# Allegro board LED_FIN.brd (continued)
## Placement (name value [footprint] x y rotation side) (continued)
D6645  0603_LED  [0603_SINGLE]  125.25 254 0 top
D6646  0603_LED  [0603_SINGLE]  127.25 254 0 top
D6647  0603_LED  [0603_SINGLE]  129.25 254 0 top
D6648  0603_LED  [0603_SINGLE]  131.25 254 0 top
D6649  0603_LED  [0603_SINGLE]  133.25 254 0 top
D6650  0603_LED  [0603_SINGLE]  135.25 254 0 top
D6651  0603_LED  [0603_SINGLE]  137.25 254 0 top
D6652  0603_LED  [0603_SINGLE]  139.25 254 0 top
D6653  0603_LED  [0603_SINGLE]  141.25 254 0 top
D6654  0603_LED  [0603_SINGLE]  143.25 254 0 top
D6655  0603_LED  [0603_SINGLE]  145.25 254 0 top
D6656  0603_LED  [0603_SINGLE]  147.25 254 0 top
D6657  0603_LED  [0603_SINGLE]  149.25 254 0 top
D6658  0603_LED  [0603_SINGLE]  151.25 254 0 top
D6659  0603_LED  [0603_SINGLE]  153.25 254 0 top
D6660  0603_LED  [0603_SINGLE]  155.25 254 0 top
D6661  0603_LED  [0603_SINGLE]  97.25 252 0 top
D6662  0603_LED  [0603_SINGLE]  99.25 252 0 top
D6663  0603_LED  [0603_SINGLE]  101.25 252 0 top
D6664  0603_LED  [0603_SINGLE]  103.25 252 0 top
D6665  0603_LED  [0603_SINGLE]  105.25 252 0 top
D6666  0603_LED  [0603_SINGLE]  107.25 252 0 top
D6667  0603_LED  [0603_SINGLE]  109.25 252 0 top
D6668  0603_LED  [0603_SINGLE]  111.25 252 0 top
D6669  0603_LED  [0603_SINGLE]  113.25 252 0 top
D6670  0603_LED  [0603_SINGLE]  115.25 252 0 top
D6671  0603_LED  [0603_SINGLE]  117.25 252 0 top
D6672  0603_LED  [0603_SINGLE]  119.25 252 0 top
D6673  0603_LED  [0603_SINGLE]  121.25 252 0 top
D6674  0603_LED  [0603_SINGLE]  123.25 252 0 top
D6675  0603_LED  [0603_SINGLE]  125.25 252 0 top
D6676  0603_LED  [0603_SINGLE]  127.25 252 0 top
D6677  0603_LED  [0603_SINGLE]  129.25 252 0 top
D6678  0603_LED  [0603_SINGLE]  131.25 252 0 top
D6679  0603_LED  [0603_SINGLE]  133.25 252 0 top
D6680  0603_LED  [0603_SINGLE]  135.25 252 0 top
D6681  0603_LED  [0603_SINGLE]  137.25 252 0 top
D6682  0603_LED  [0603_SINGLE]  139.25 252 0 top
D6683  0603_LED  [0603_SINGLE]  141.25 252 0 top
D6684  0603_LED  [0603_SINGLE]  143.25 252 0 top
D6685  0603_LED  [0603_SINGLE]  145.25 252 0 top
D6686  0603_LED  [0603_SINGLE]  147.25 252 0 top
D6687  0603_LED  [0603_SINGLE]  149.25 252 0 top
D6688  0603_LED  [0603_SINGLE]  151.25 252 0 top
D6689  0603_LED  [0603_SINGLE]  153.25 252 0 top
D6690  0603_LED  [0603_SINGLE]  155.25 252 0 top
D6691  0603_LED  [0603_SINGLE]  97.25 250 0 top
D6692  0603_LED  [0603_SINGLE]  99.25 250 0 top
D6693  0603_LED  [0603_SINGLE]  101.25 250 0 top
D6694  0603_LED  [0603_SINGLE]  103.25 250 0 top
D6695  0603_LED  [0603_SINGLE]  105.25 250 0 top
D6696  0603_LED  [0603_SINGLE]  107.25 250 0 top
D6697  0603_LED  [0603_SINGLE]  109.25 250 0 top
D6698  0603_LED  [0603_SINGLE]  111.25 250 0 top
D6699  0603_LED  [0603_SINGLE]  113.25 250 0 top
D6700  0603_LED  [0603_SINGLE]  115.25 250 0 top
D6701  0603_LED  [0603_SINGLE]  117.25 250 0 top
D6702  0603_LED  [0603_SINGLE]  119.25 250 0 top
D6703  0603_LED  [0603_SINGLE]  121.25 250 0 top
D6704  0603_LED  [0603_SINGLE]  123.25 250 0 top
D6705  0603_LED  [0603_SINGLE]  125.25 250 0 top
D6706  0603_LED  [0603_SINGLE]  127.25 250 0 top
D6707  0603_LED  [0603_SINGLE]  129.25 250 0 top
D6708  0603_LED  [0603_SINGLE]  131.25 250 0 top
D6709  0603_LED  [0603_SINGLE]  133.25 250 0 top
D6710  0603_LED  [0603_SINGLE]  135.25 250 0 top
D6711  0603_LED  [0603_SINGLE]  137.25 250 0 top
D6712  0603_LED  [0603_SINGLE]  139.25 250 0 top
D6713  0603_LED  [0603_SINGLE]  141.25 250 0 top
D6714  0603_LED  [0603_SINGLE]  143.25 250 0 top
D6715  0603_LED  [0603_SINGLE]  145.25 250 0 top
D6716  0603_LED  [0603_SINGLE]  147.25 250 0 top
D6717  0603_LED  [0603_SINGLE]  149.25 250 0 top
D6718  0603_LED  [0603_SINGLE]  151.25 250 0 top
D6719  0603_LED  [0603_SINGLE]  153.25 250 0 top
D6720  0603_LED  [0603_SINGLE]  155.25 250 0 top
D6721  0603_LED  [0603_SINGLE]  97.25 248 0 top
D6722  0603_LED  [0603_SINGLE]  99.25 248 0 top
D6723  0603_LED  [0603_SINGLE]  101.25 248 0 top
D6724  0603_LED  [0603_SINGLE]  103.25 248 0 top
D6725  0603_LED  [0603_SINGLE]  105.25 248 0 top
D6726  0603_LED  [0603_SINGLE]  107.25 248 0 top
D6727  0603_LED  [0603_SINGLE]  109.25 248 0 top
D6728  0603_LED  [0603_SINGLE]  111.25 248 0 top
D6729  0603_LED  [0603_SINGLE]  113.25 248 0 top
D6730  0603_LED  [0603_SINGLE]  115.25 248 0 top
D6731  0603_LED  [0603_SINGLE]  117.25 248 0 top
D6732  0603_LED  [0603_SINGLE]  119.25 248 0 top
D6733  0603_LED  [0603_SINGLE]  121.25 248 0 top
D6734  0603_LED  [0603_SINGLE]  123.25 248 0 top
D6735  0603_LED  [0603_SINGLE]  125.25 248 0 top
D6736  0603_LED  [0603_SINGLE]  127.25 248 0 top
D6737  0603_LED  [0603_SINGLE]  129.25 248 0 top
D6738  0603_LED  [0603_SINGLE]  131.25 248 0 top
D6739  0603_LED  [0603_SINGLE]  133.25 248 0 top
D6740  0603_LED  [0603_SINGLE]  135.25 248 0 top
D6741  0603_LED  [0603_SINGLE]  137.25 248 0 top
D6742  0603_LED  [0603_SINGLE]  139.25 248 0 top
D6743  0603_LED  [0603_SINGLE]  141.25 248 0 top
D6744  0603_LED  [0603_SINGLE]  143.25 248 0 top
D6745  0603_LED  [0603_SINGLE]  145.25 248 0 top
D6746  0603_LED  [0603_SINGLE]  147.25 248 0 top
D6747  0603_LED  [0603_SINGLE]  149.25 248 0 top
D6748  0603_LED  [0603_SINGLE]  151.25 248 0 top
D6749  0603_LED  [0603_SINGLE]  153.25 248 0 top
D6750  0603_LED  [0603_SINGLE]  155.25 248 0 top
D6751  0603_LED  [0603_SINGLE]  97.25 246 0 top
D6752  0603_LED  [0603_SINGLE]  99.25 246 0 top
D6753  0603_LED  [0603_SINGLE]  101.25 246 0 top
D6754  0603_LED  [0603_SINGLE]  103.25 246 0 top
D6755  0603_LED  [0603_SINGLE]  105.25 246 0 top
D6756  0603_LED  [0603_SINGLE]  107.25 246 0 top
D6757  0603_LED  [0603_SINGLE]  109.25 246 0 top
D6758  0603_LED  [0603_SINGLE]  111.25 246 0 top
D6759  0603_LED  [0603_SINGLE]  113.25 246 0 top
D6760  0603_LED  [0603_SINGLE]  115.25 246 0 top
D6761  0603_LED  [0603_SINGLE]  117.25 246 0 top
D6762  0603_LED  [0603_SINGLE]  119.25 246 0 top
D6763  0603_LED  [0603_SINGLE]  121.25 246 0 top
D6764  0603_LED  [0603_SINGLE]  123.25 246 0 top
D6765  0603_LED  [0603_SINGLE]  125.25 246 0 top
D6766  0603_LED  [0603_SINGLE]  127.25 246 0 top
D6767  0603_LED  [0603_SINGLE]  129.25 246 0 top
D6768  0603_LED  [0603_SINGLE]  131.25 246 0 top
D6769  0603_LED  [0603_SINGLE]  133.25 246 0 top
D6770  0603_LED  [0603_SINGLE]  135.25 246 0 top
D6771  0603_LED  [0603_SINGLE]  137.25 246 0 top
D6772  0603_LED  [0603_SINGLE]  139.25 246 0 top
D6773  0603_LED  [0603_SINGLE]  141.25 246 0 top
D6774  0603_LED  [0603_SINGLE]  143.25 246 0 top
D6775  0603_LED  [0603_SINGLE]  145.25 246 0 top
D6776  0603_LED  [0603_SINGLE]  147.25 246 0 top
D6777  0603_LED  [0603_SINGLE]  149.25 246 0 top
D6778  0603_LED  [0603_SINGLE]  151.25 246 0 top
D6779  0603_LED  [0603_SINGLE]  153.25 246 0 top
D6780  0603_LED  [0603_SINGLE]  155.25 246 0 top
D6781  0603_LED  [0603_SINGLE]  97.25 244 0 top
D6782  0603_LED  [0603_SINGLE]  99.25 244 0 top
D6783  0603_LED  [0603_SINGLE]  101.25 244 0 top
D6784  0603_LED  [0603_SINGLE]  103.25 244 0 top
D6785  0603_LED  [0603_SINGLE]  105.25 244 0 top
D6786  0603_LED  [0603_SINGLE]  107.25 244 0 top
D6787  0603_LED  [0603_SINGLE]  109.25 244 0 top
D6788  0603_LED  [0603_SINGLE]  111.25 244 0 top
D6789  0603_LED  [0603_SINGLE]  113.25 244 0 top
D6790  0603_LED  [0603_SINGLE]  115.25 244 0 top
D6791  0603_LED  [0603_SINGLE]  117.25 244 0 top
D6792  0603_LED  [0603_SINGLE]  119.25 244 0 top
D6793  0603_LED  [0603_SINGLE]  121.25 244 0 top
D6794  0603_LED  [0603_SINGLE]  123.25 244 0 top
D6795  0603_LED  [0603_SINGLE]  125.25 244 0 top
D6796  0603_LED  [0603_SINGLE]  127.25 244 0 top
D6797  0603_LED  [0603_SINGLE]  129.25 244 0 top
D6798  0603_LED  [0603_SINGLE]  131.25 244 0 top
D6799  0603_LED  [0603_SINGLE]  133.25 244 0 top
D6800  0603_LED  [0603_SINGLE]  135.25 244 0 top
D6801  0603_LED  [0603_SINGLE]  137.25 244 0 top
D6802  0603_LED  [0603_SINGLE]  139.25 244 0 top
D6803  0603_LED  [0603_SINGLE]  141.25 244 0 top
D6804  0603_LED  [0603_SINGLE]  143.25 244 0 top
D6805  0603_LED  [0603_SINGLE]  145.25 244 0 top
D6806  0603_LED  [0603_SINGLE]  147.25 244 0 top
D6807  0603_LED  [0603_SINGLE]  149.25 244 0 top
D6808  0603_LED  [0603_SINGLE]  151.25 244 0 top
D6809  0603_LED  [0603_SINGLE]  153.25 244 0 top
D6810  0603_LED  [0603_SINGLE]  155.25 244 0 top
D6811  0603_LED  [0603_SINGLE]  97.25 242 0 top
D6812  0603_LED  [0603_SINGLE]  99.25 242 0 top
D6813  0603_LED  [0603_SINGLE]  101.25 242 0 top
D6814  0603_LED  [0603_SINGLE]  103.25 242 0 top
D6815  0603_LED  [0603_SINGLE]  105.25 242 0 top
D6816  0603_LED  [0603_SINGLE]  107.25 242 0 top
D6817  0603_LED  [0603_SINGLE]  109.25 242 0 top
D6818  0603_LED  [0603_SINGLE]  111.25 242 0 top
D6819  0603_LED  [0603_SINGLE]  113.25 242 0 top
D6820  0603_LED  [0603_SINGLE]  115.25 242 0 top
D6821  0603_LED  [0603_SINGLE]  117.25 242 0 top
D6822  0603_LED  [0603_SINGLE]  119.25 242 0 top
D6823  0603_LED  [0603_SINGLE]  121.25 242 0 top
D6824  0603_LED  [0603_SINGLE]  123.25 242 0 top
D6825  0603_LED  [0603_SINGLE]  125.25 242 0 top
D6826  0603_LED  [0603_SINGLE]  127.25 242 0 top
D6827  0603_LED  [0603_SINGLE]  129.25 242 0 top
D6828  0603_LED  [0603_SINGLE]  131.25 242 0 top
D6829  0603_LED  [0603_SINGLE]  133.25 242 0 top
D6830  0603_LED  [0603_SINGLE]  135.25 242 0 top
D6831  0603_LED  [0603_SINGLE]  137.25 242 0 top
D6832  0603_LED  [0603_SINGLE]  139.25 242 0 top
D6833  0603_LED  [0603_SINGLE]  141.25 242 0 top
D6834  0603_LED  [0603_SINGLE]  143.25 242 0 top
D6835  0603_LED  [0603_SINGLE]  145.25 242 0 top
D6836  0603_LED  [0603_SINGLE]  147.25 242 0 top
D6837  0603_LED  [0603_SINGLE]  149.25 242 0 top
D6838  0603_LED  [0603_SINGLE]  151.25 242 0 top
D6839  0603_LED  [0603_SINGLE]  153.25 242 0 top
D6840  0603_LED  [0603_SINGLE]  155.25 242 0 top
D6841  0603_LED  [0603_SINGLE]  157.25 316 0 top
D6842  0603_LED  [0603_SINGLE]  159.25 316 0 top
D6843  0603_LED  [0603_SINGLE]  161.25 316 0 top
D6844  0603_LED  [0603_SINGLE]  163.25 316 0 top
D6845  0603_LED  [0603_SINGLE]  165.25 316 0 top
D6846  0603_LED  [0603_SINGLE]  167.25 316 0 top
D6847  0603_LED  [0603_SINGLE]  169.25 316 0 top
D6848  0603_LED  [0603_SINGLE]  171.25 316 0 top
D6849  0603_LED  [0603_SINGLE]  173.25 316 0 top
D6850  0603_LED  [0603_SINGLE]  175.25 316 0 top
D6851  0603_LED  [0603_SINGLE]  177.25 316 0 top
D6852  0603_LED  [0603_SINGLE]  179.25 316 0 top
D6853  0603_LED  [0603_SINGLE]  181.25 316 0 top
D6854  0603_LED  [0603_SINGLE]  183.25 316 0 top
D6855  0603_LED  [0603_SINGLE]  185.25 316 0 top
D6856  0603_LED  [0603_SINGLE]  187.25 316 0 top
D6857  0603_LED  [0603_SINGLE]  189.25 316 0 top
D6858  0603_LED  [0603_SINGLE]  191.25 316 0 top
D6859  0603_LED  [0603_SINGLE]  193.25 316 0 top
D6860  0603_LED  [0603_SINGLE]  195.25 316 0 top
D6861  0603_LED  [0603_SINGLE]  197.25 316 0 top
D6862  0603_LED  [0603_SINGLE]  199.25 316 0 top
D6863  0603_LED  [0603_SINGLE]  201.25 316 0 top
D6864  0603_LED  [0603_SINGLE]  203.25 316 0 top
D6865  0603_LED  [0603_SINGLE]  205.25 316 0 top
D6866  0603_LED  [0603_SINGLE]  207.25 316 0 top
D6867  0603_LED  [0603_SINGLE]  209.25 316 0 top
D6868  0603_LED  [0603_SINGLE]  211.25 316 0 top
D6869  0603_LED  [0603_SINGLE]  213.25 316 0 top
D6870  0603_LED  [0603_SINGLE]  215.25 316 0 top
D6871  0603_LED  [0603_SINGLE]  157.25 314 0 top
D6872  0603_LED  [0603_SINGLE]  159.25 314 0 top
D6873  0603_LED  [0603_SINGLE]  161.25 314 0 top
D6874  0603_LED  [0603_SINGLE]  163.25 314 0 top
D6875  0603_LED  [0603_SINGLE]  165.25 314 0 top
D6876  0603_LED  [0603_SINGLE]  167.25 314 0 top
D6877  0603_LED  [0603_SINGLE]  169.25 314 0 top
D6878  0603_LED  [0603_SINGLE]  171.25 314 0 top
D6879  0603_LED  [0603_SINGLE]  173.25 314 0 top
D6880  0603_LED  [0603_SINGLE]  175.25 314 0 top
D6881  0603_LED  [0603_SINGLE]  177.25 314 0 top
D6882  0603_LED  [0603_SINGLE]  179.25 314 0 top
D6883  0603_LED  [0603_SINGLE]  181.25 314 0 top
D6884  0603_LED  [0603_SINGLE]  183.25 314 0 top
D6885  0603_LED  [0603_SINGLE]  185.25 314 0 top
D6886  0603_LED  [0603_SINGLE]  187.25 314 0 top
D6887  0603_LED  [0603_SINGLE]  189.25 314 0 top
D6888  0603_LED  [0603_SINGLE]  191.25 314 0 top
D6889  0603_LED  [0603_SINGLE]  193.25 314 0 top
D6890  0603_LED  [0603_SINGLE]  195.25 314 0 top
D6891  0603_LED  [0603_SINGLE]  197.25 314 0 top
D6892  0603_LED  [0603_SINGLE]  199.25 314 0 top
D6893  0603_LED  [0603_SINGLE]  201.25 314 0 top
D6894  0603_LED  [0603_SINGLE]  203.25 314 0 top
D6895  0603_LED  [0603_SINGLE]  205.25 314 0 top
D6896  0603_LED  [0603_SINGLE]  207.25 314 0 top
D6897  0603_LED  [0603_SINGLE]  209.25 314 0 top
D6898  0603_LED  [0603_SINGLE]  211.25 314 0 top
D6899  0603_LED  [0603_SINGLE]  213.25 314 0 top
D6900  0603_LED  [0603_SINGLE]  215.25 314 0 top
D6901  0603_LED  [0603_SINGLE]  157.25 312 0 top
D6902  0603_LED  [0603_SINGLE]  159.25 312 0 top
D6903  0603_LED  [0603_SINGLE]  161.25 312 0 top
D6904  0603_LED  [0603_SINGLE]  163.25 312 0 top
D6905  0603_LED  [0603_SINGLE]  165.25 312 0 top
D6906  0603_LED  [0603_SINGLE]  167.25 312 0 top
D6907  0603_LED  [0603_SINGLE]  169.25 312 0 top
D6908  0603_LED  [0603_SINGLE]  171.25 312 0 top
D6909  0603_LED  [0603_SINGLE]  173.25 312 0 top
D6910  0603_LED  [0603_SINGLE]  175.25 312 0 top
D6911  0603_LED  [0603_SINGLE]  177.25 312 0 top
D6912  0603_LED  [0603_SINGLE]  179.25 312 0 top
D6913  0603_LED  [0603_SINGLE]  181.25 312 0 top
D6914  0603_LED  [0603_SINGLE]  183.25 312 0 top
D6915  0603_LED  [0603_SINGLE]  185.25 312 0 top
D6916  0603_LED  [0603_SINGLE]  187.25 312 0 top
D6917  0603_LED  [0603_SINGLE]  189.25 312 0 top
D6918  0603_LED  [0603_SINGLE]  191.25 312 0 top
D6919  0603_LED  [0603_SINGLE]  193.25 312 0 top
D6920  0603_LED  [0603_SINGLE]  195.25 312 0 top
D6921  0603_LED  [0603_SINGLE]  197.25 312 0 top
D6922  0603_LED  [0603_SINGLE]  199.25 312 0 top
D6923  0603_LED  [0603_SINGLE]  201.25 312 0 top
D6924  0603_LED  [0603_SINGLE]  203.25 312 0 top
D6925  0603_LED  [0603_SINGLE]  205.25 312 0 top
D6926  0603_LED  [0603_SINGLE]  207.25 312 0 top
D6927  0603_LED  [0603_SINGLE]  209.25 312 0 top
D6928  0603_LED  [0603_SINGLE]  211.25 312 0 top
D6929  0603_LED  [0603_SINGLE]  213.25 312 0 top
D6930  0603_LED  [0603_SINGLE]  215.25 312 0 top
D6931  0603_LED  [0603_SINGLE]  157.25 310 0 top
D6932  0603_LED  [0603_SINGLE]  159.25 310 0 top
D6933  0603_LED  [0603_SINGLE]  161.25 310 0 top
D6934  0603_LED  [0603_SINGLE]  163.25 310 0 top
D6935  0603_LED  [0603_SINGLE]  165.25 310 0 top
D6936  0603_LED  [0603_SINGLE]  167.25 310 0 top
D6937  0603_LED  [0603_SINGLE]  169.25 310 0 top
D6938  0603_LED  [0603_SINGLE]  171.25 310 0 top
D6939  0603_LED  [0603_SINGLE]  173.25 310 0 top
D6940  0603_LED  [0603_SINGLE]  175.25 310 0 top
D6941  0603_LED  [0603_SINGLE]  177.25 310 0 top
D6942  0603_LED  [0603_SINGLE]  179.25 310 0 top
D6943  0603_LED  [0603_SINGLE]  181.25 310 0 top
D6944  0603_LED  [0603_SINGLE]  183.25 310 0 top
D6945  0603_LED  [0603_SINGLE]  185.25 310 0 top
D6946  0603_LED  [0603_SINGLE]  187.25 310 0 top
D6947  0603_LED  [0603_SINGLE]  189.25 310 0 top
D6948  0603_LED  [0603_SINGLE]  191.25 310 0 top
D6949  0603_LED  [0603_SINGLE]  193.25 310 0 top
D6950  0603_LED  [0603_SINGLE]  195.25 310 0 top
D6951  0603_LED  [0603_SINGLE]  197.25 310 0 top
D6952  0603_LED  [0603_SINGLE]  199.25 310 0 top
D6953  0603_LED  [0603_SINGLE]  201.25 310 0 top
D6954  0603_LED  [0603_SINGLE]  203.25 310 0 top
D6955  0603_LED  [0603_SINGLE]  205.25 310 0 top
D6956  0603_LED  [0603_SINGLE]  207.25 310 0 top
D6957  0603_LED  [0603_SINGLE]  209.25 310 0 top
D6958  0603_LED  [0603_SINGLE]  211.25 310 0 top
D6959  0603_LED  [0603_SINGLE]  213.25 310 0 top
D6960  0603_LED  [0603_SINGLE]  215.25 310 0 top
D6961  0603_LED  [0603_SINGLE]  157.25 308 0 top
D6962  0603_LED  [0603_SINGLE]  159.25 308 0 top
D6963  0603_LED  [0603_SINGLE]  161.25 308 0 top
D6964  0603_LED  [0603_SINGLE]  163.25 308 0 top
D6965  0603_LED  [0603_SINGLE]  165.25 308 0 top
D6966  0603_LED  [0603_SINGLE]  167.25 308 0 top
D6967  0603_LED  [0603_SINGLE]  169.25 308 0 top
D6968  0603_LED  [0603_SINGLE]  171.25 308 0 top
D6969  0603_LED  [0603_SINGLE]  173.25 308 0 top
D6970  0603_LED  [0603_SINGLE]  175.25 308 0 top
D6971  0603_LED  [0603_SINGLE]  177.25 308 0 top
D6972  0603_LED  [0603_SINGLE]  179.25 308 0 top
D6973  0603_LED  [0603_SINGLE]  181.25 308 0 top
D6974  0603_LED  [0603_SINGLE]  183.25 308 0 top
D6975  0603_LED  [0603_SINGLE]  185.25 308 0 top
D6976  0603_LED  [0603_SINGLE]  187.25 308 0 top
D6977  0603_LED  [0603_SINGLE]  189.25 308 0 top
D6978  0603_LED  [0603_SINGLE]  191.25 308 0 top
D6979  0603_LED  [0603_SINGLE]  193.25 308 0 top
D6980  0603_LED  [0603_SINGLE]  195.25 308 0 top
D6981  0603_LED  [0603_SINGLE]  197.25 308 0 top
D6982  0603_LED  [0603_SINGLE]  199.25 308 0 top
D6983  0603_LED  [0603_SINGLE]  201.25 308 0 top
D6984  0603_LED  [0603_SINGLE]  203.25 308 0 top
D6985  0603_LED  [0603_SINGLE]  205.25 308 0 top
D6986  0603_LED  [0603_SINGLE]  207.25 308 0 top
D6987  0603_LED  [0603_SINGLE]  209.25 308 0 top
D6988  0603_LED  [0603_SINGLE]  211.25 308 0 top
D6989  0603_LED  [0603_SINGLE]  213.25 308 0 top
D6990  0603_LED  [0603_SINGLE]  215.25 308 0 top
D6991  0603_LED  [0603_SINGLE]  157.25 306 0 top
D6992  0603_LED  [0603_SINGLE]  159.25 306 0 top
D6993  0603_LED  [0603_SINGLE]  161.25 306 0 top
D6994  0603_LED  [0603_SINGLE]  163.25 306 0 top
D6995  0603_LED  [0603_SINGLE]  165.25 306 0 top
D6996  0603_LED  [0603_SINGLE]  167.25 306 0 top
D6997  0603_LED  [0603_SINGLE]  169.25 306 0 top
D6998  0603_LED  [0603_SINGLE]  171.25 306 0 top
D6999  0603_LED  [0603_SINGLE]  173.25 306 0 top
D7000  0603_LED  [0603_SINGLE]  175.25 306 0 top
D7001  0603_LED  [0603_SINGLE]  177.25 306 0 top
D7002  0603_LED  [0603_SINGLE]  179.25 306 0 top
D7003  0603_LED  [0603_SINGLE]  181.25 306 0 top
D7004  0603_LED  [0603_SINGLE]  183.25 306 0 top
D7005  0603_LED  [0603_SINGLE]  185.25 306 0 top
D7006  0603_LED  [0603_SINGLE]  187.25 306 0 top
D7007  0603_LED  [0603_SINGLE]  189.25 306 0 top
D7008  0603_LED  [0603_SINGLE]  191.25 306 0 top
D7009  0603_LED  [0603_SINGLE]  193.25 306 0 top
D7010  0603_LED  [0603_SINGLE]  195.25 306 0 top
D7011  0603_LED  [0603_SINGLE]  197.25 306 0 top
D7012  0603_LED  [0603_SINGLE]  199.25 306 0 top
D7013  0603_LED  [0603_SINGLE]  201.25 306 0 top
D7014  0603_LED  [0603_SINGLE]  203.25 306 0 top
D7015  0603_LED  [0603_SINGLE]  205.25 306 0 top
D7016  0603_LED  [0603_SINGLE]  207.25 306 0 top
D7017  0603_LED  [0603_SINGLE]  209.25 306 0 top
D7018  0603_LED  [0603_SINGLE]  211.25 306 0 top
D7019  0603_LED  [0603_SINGLE]  213.25 306 0 top
D7020  0603_LED  [0603_SINGLE]  215.25 306 0 top
D7021  0603_LED  [0603_SINGLE]  157.25 304 0 top
D7022  0603_LED  [0603_SINGLE]  159.25 304 0 top
D7023  0603_LED  [0603_SINGLE]  161.25 304 0 top
D7024  0603_LED  [0603_SINGLE]  163.25 304 0 top
D7025  0603_LED  [0603_SINGLE]  165.25 304 0 top
D7026  0603_LED  [0603_SINGLE]  167.25 304 0 top
D7027  0603_LED  [0603_SINGLE]  169.25 304 0 top
D7028  0603_LED  [0603_SINGLE]  171.25 304 0 top
D7029  0603_LED  [0603_SINGLE]  173.25 304 0 top
D7030  0603_LED  [0603_SINGLE]  175.25 304 0 top
D7031  0603_LED  [0603_SINGLE]  177.25 304 0 top
D7032  0603_LED  [0603_SINGLE]  179.25 304 0 top
D7033  0603_LED  [0603_SINGLE]  181.25 304 0 top
D7034  0603_LED  [0603_SINGLE]  183.25 304 0 top
D7035  0603_LED  [0603_SINGLE]  185.25 304 0 top
D7036  0603_LED  [0603_SINGLE]  187.25 304 0 top
D7037  0603_LED  [0603_SINGLE]  189.25 304 0 top
D7038  0603_LED  [0603_SINGLE]  191.25 304 0 top
D7039  0603_LED  [0603_SINGLE]  193.25 304 0 top
D7040  0603_LED  [0603_SINGLE]  195.25 304 0 top
D7041  0603_LED  [0603_SINGLE]  197.25 304 0 top
D7042  0603_LED  [0603_SINGLE]  199.25 304 0 top
D7043  0603_LED  [0603_SINGLE]  201.25 304 0 top
D7044  0603_LED  [0603_SINGLE]  203.25 304 0 top
D7045  0603_LED  [0603_SINGLE]  205.25 304 0 top
D7046  0603_LED  [0603_SINGLE]  207.25 304 0 top
D7047  0603_LED  [0603_SINGLE]  209.25 304 0 top
D7048  0603_LED  [0603_SINGLE]  211.25 304 0 top
D7049  0603_LED  [0603_SINGLE]  213.25 304 0 top
D7050  0603_LED  [0603_SINGLE]  215.25 304 0 top
D7051  0603_LED  [0603_SINGLE]  157.25 302 0 top
D7052  0603_LED  [0603_SINGLE]  159.25 302 0 top
D7053  0603_LED  [0603_SINGLE]  161.25 302 0 top
D7054  0603_LED  [0603_SINGLE]  163.25 302 0 top
D7055  0603_LED  [0603_SINGLE]  165.25 302 0 top
D7056  0603_LED  [0603_SINGLE]  167.25 302 0 top
D7057  0603_LED  [0603_SINGLE]  169.25 302 0 top
D7058  0603_LED  [0603_SINGLE]  171.25 302 0 top
D7059  0603_LED  [0603_SINGLE]  173.25 302 0 top
D7060  0603_LED  [0603_SINGLE]  175.25 302 0 top
D7061  0603_LED  [0603_SINGLE]  177.25 302 0 top
D7062  0603_LED  [0603_SINGLE]  179.25 302 0 top
D7063  0603_LED  [0603_SINGLE]  181.25 302 0 top
D7064  0603_LED  [0603_SINGLE]  183.25 302 0 top
D7065  0603_LED  [0603_SINGLE]  185.25 302 0 top
D7066  0603_LED  [0603_SINGLE]  187.25 302 0 top
D7067  0603_LED  [0603_SINGLE]  189.25 302 0 top
D7068  0603_LED  [0603_SINGLE]  191.25 302 0 top
D7069  0603_LED  [0603_SINGLE]  193.25 302 0 top
D7070  0603_LED  [0603_SINGLE]  195.25 302 0 top
D7071  0603_LED  [0603_SINGLE]  197.25 302 0 top
D7072  0603_LED  [0603_SINGLE]  199.25 302 0 top
D7073  0603_LED  [0603_SINGLE]  201.25 302 0 top
D7074  0603_LED  [0603_SINGLE]  203.25 302 0 top
D7075  0603_LED  [0603_SINGLE]  205.25 302 0 top
D7076  0603_LED  [0603_SINGLE]  207.25 302 0 top
D7077  0603_LED  [0603_SINGLE]  209.25 302 0 top
D7078  0603_LED  [0603_SINGLE]  211.25 302 0 top
D7079  0603_LED  [0603_SINGLE]  213.25 302 0 top
D7080  0603_LED  [0603_SINGLE]  215.25 302 0 top
D7081  0603_LED  [0603_SINGLE]  157.25 300 0 top
D7082  0603_LED  [0603_SINGLE]  159.25 300 0 top
D7083  0603_LED  [0603_SINGLE]  161.25 300 0 top
D7084  0603_LED  [0603_SINGLE]  163.25 300 0 top
D7085  0603_LED  [0603_SINGLE]  165.25 300 0 top
D7086  0603_LED  [0603_SINGLE]  167.25 300 0 top
D7087  0603_LED  [0603_SINGLE]  169.25 300 0 top
D7088  0603_LED  [0603_SINGLE]  171.25 300 0 top
D7089  0603_LED  [0603_SINGLE]  173.25 300 0 top
D7090  0603_LED  [0603_SINGLE]  175.25 300 0 top
D7091  0603_LED  [0603_SINGLE]  177.25 300 0 top
D7092  0603_LED  [0603_SINGLE]  179.25 300 0 top
D7093  0603_LED  [0603_SINGLE]  181.25 300 0 top
D7094  0603_LED  [0603_SINGLE]  183.25 300 0 top
D7095  0603_LED  [0603_SINGLE]  185.25 300 0 top
D7096  0603_LED  [0603_SINGLE]  187.25 300 0 top
D7097  0603_LED  [0603_SINGLE]  189.25 300 0 top
D7098  0603_LED  [0603_SINGLE]  191.25 300 0 top
D7099  0603_LED  [0603_SINGLE]  193.25 300 0 top
D7100  0603_LED  [0603_SINGLE]  195.25 300 0 top
D7101  0603_LED  [0603_SINGLE]  197.25 300 0 top
D7102  0603_LED  [0603_SINGLE]  199.25 300 0 top
D7103  0603_LED  [0603_SINGLE]  201.25 300 0 top
D7104  0603_LED  [0603_SINGLE]  203.25 300 0 top
D7105  0603_LED  [0603_SINGLE]  205.25 300 0 top
D7106  0603_LED  [0603_SINGLE]  207.25 300 0 top
D7107  0603_LED  [0603_SINGLE]  209.25 300 0 top
D7108  0603_LED  [0603_SINGLE]  211.25 300 0 top
D7109  0603_LED  [0603_SINGLE]  213.25 300 0 top
D7110  0603_LED  [0603_SINGLE]  215.25 300 0 top
D7111  0603_LED  [0603_SINGLE]  157.25 298 0 top
D7112  0603_LED  [0603_SINGLE]  159.25 298 0 top
D7113  0603_LED  [0603_SINGLE]  161.25 298 0 top
D7114  0603_LED  [0603_SINGLE]  163.25 298 0 top
D7115  0603_LED  [0603_SINGLE]  165.25 298 0 top
D7116  0603_LED  [0603_SINGLE]  167.25 298 0 top
D7117  0603_LED  [0603_SINGLE]  169.25 298 0 top
D7118  0603_LED  [0603_SINGLE]  171.25 298 0 top
D7119  0603_LED  [0603_SINGLE]  173.25 298 0 top
D7120  0603_LED  [0603_SINGLE]  175.25 298 0 top
D7121  0603_LED  [0603_SINGLE]  177.25 298 0 top
D7122  0603_LED  [0603_SINGLE]  179.25 298 0 top
D7123  0603_LED  [0603_SINGLE]  181.25 298 0 top
D7124  0603_LED  [0603_SINGLE]  183.25 298 0 top
D7125  0603_LED  [0603_SINGLE]  185.25 298 0 top
D7126  0603_LED  [0603_SINGLE]  187.25 298 0 top
D7127  0603_LED  [0603_SINGLE]  189.25 298 0 top
D7128  0603_LED  [0603_SINGLE]  191.25 298 0 top
D7129  0603_LED  [0603_SINGLE]  193.25 298 0 top
D7130  0603_LED  [0603_SINGLE]  195.25 298 0 top
D7131  0603_LED  [0603_SINGLE]  197.25 298 0 top
D7132  0603_LED  [0603_SINGLE]  199.25 298 0 top
D7133  0603_LED  [0603_SINGLE]  201.25 298 0 top
D7134  0603_LED  [0603_SINGLE]  203.25 298 0 top
D7135  0603_LED  [0603_SINGLE]  205.25 298 0 top
D7136  0603_LED  [0603_SINGLE]  207.25 298 0 top
D7137  0603_LED  [0603_SINGLE]  209.25 298 0 top
D7138  0603_LED  [0603_SINGLE]  211.25 298 0 top
D7139  0603_LED  [0603_SINGLE]  213.25 298 0 top
D7140  0603_LED  [0603_SINGLE]  215.25 298 0 top
D7141  0603_LED  [0603_SINGLE]  157.25 296 0 top
D7142  0603_LED  [0603_SINGLE]  159.25 296 0 top
D7143  0603_LED  [0603_SINGLE]  161.25 296 0 top
D7144  0603_LED  [0603_SINGLE]  163.25 296 0 top
D7145  0603_LED  [0603_SINGLE]  165.25 296 0 top
D7146  0603_LED  [0603_SINGLE]  167.25 296 0 top
D7147  0603_LED  [0603_SINGLE]  169.25 296 0 top
D7148  0603_LED  [0603_SINGLE]  171.25 296 0 top
D7149  0603_LED  [0603_SINGLE]  173.25 296 0 top
D7150  0603_LED  [0603_SINGLE]  175.25 296 0 top
D7151  0603_LED  [0603_SINGLE]  177.25 296 0 top
D7152  0603_LED  [0603_SINGLE]  179.25 296 0 top
D7153  0603_LED  [0603_SINGLE]  181.25 296 0 top
D7154  0603_LED  [0603_SINGLE]  183.25 296 0 top
